# KiCad board beaglebone-ai-rev-a2.kicad_pcb
title: BEAGLEBONE AI; date: 2021-02-02; rev: A2; company: KiCad Services Corp (https://kipro-pcb.com)
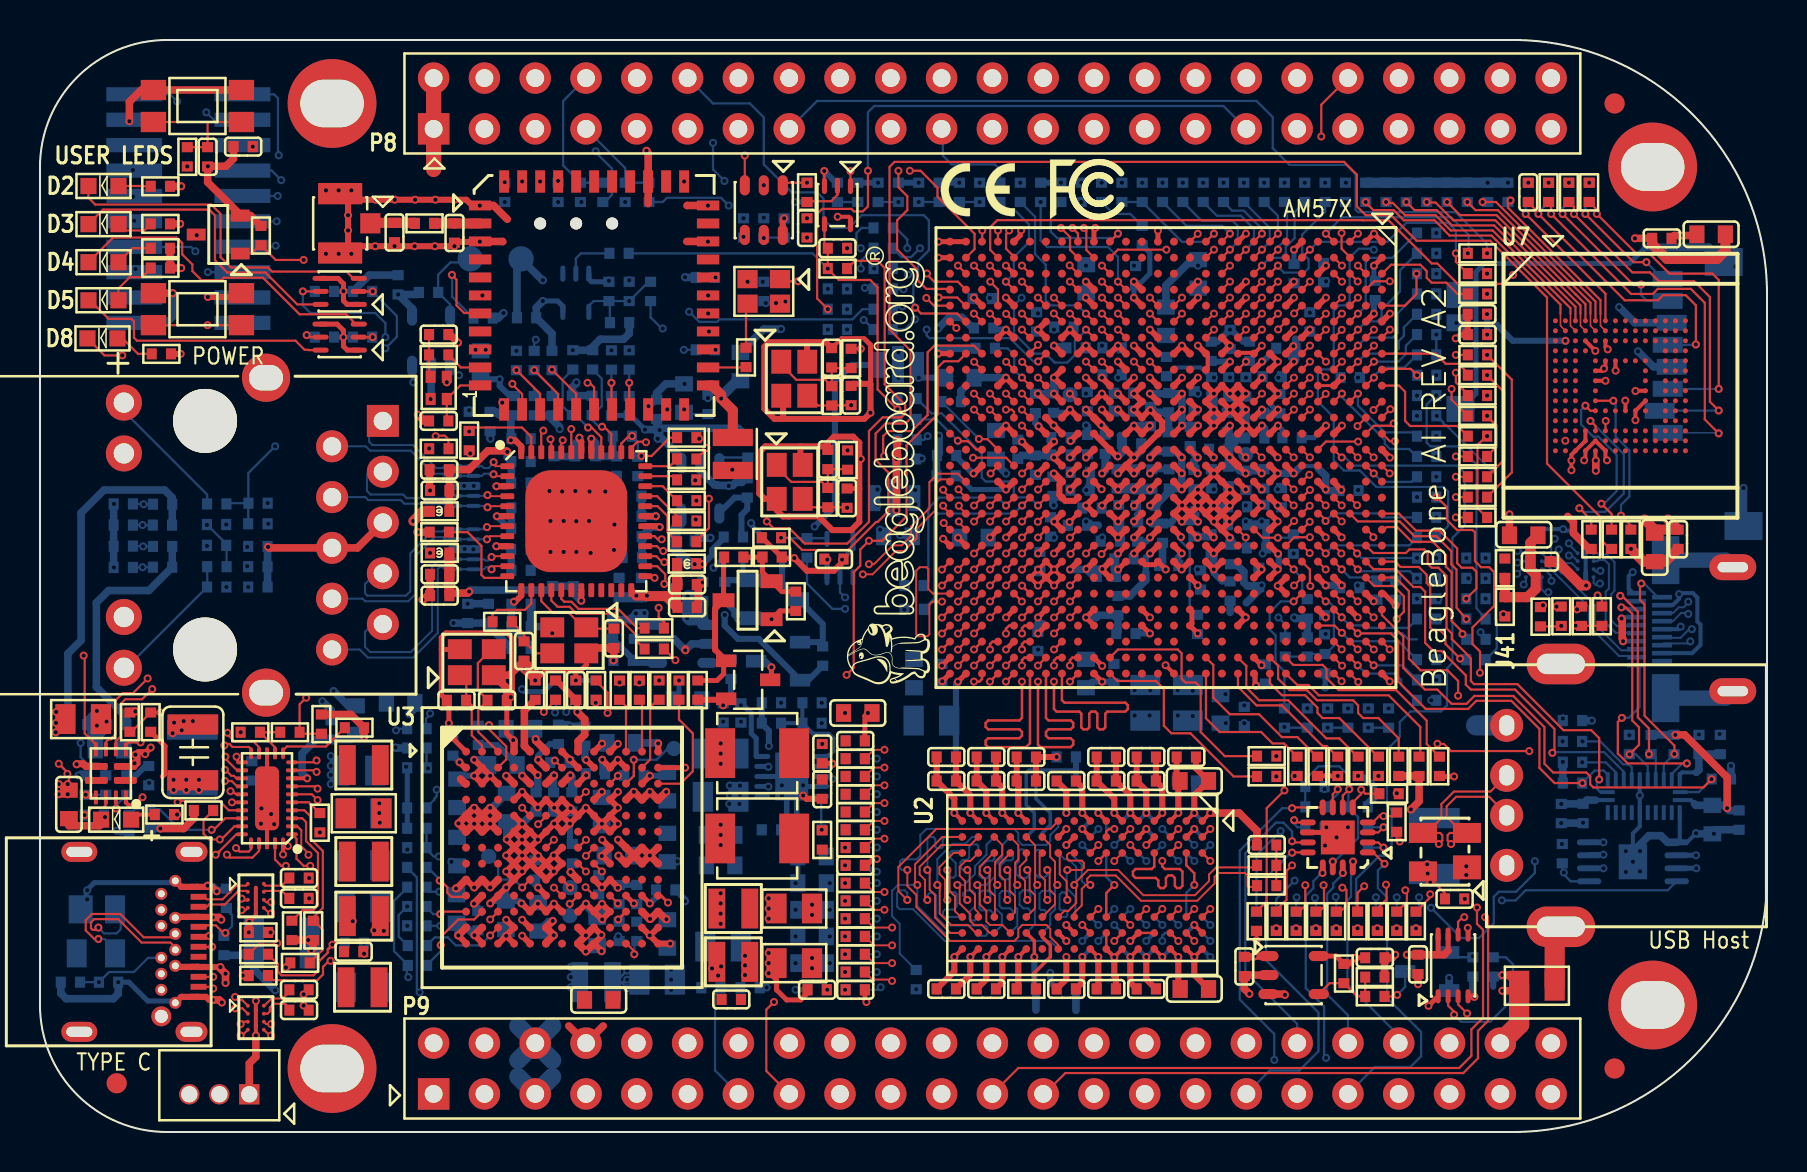
[diagram p0: board, top side]
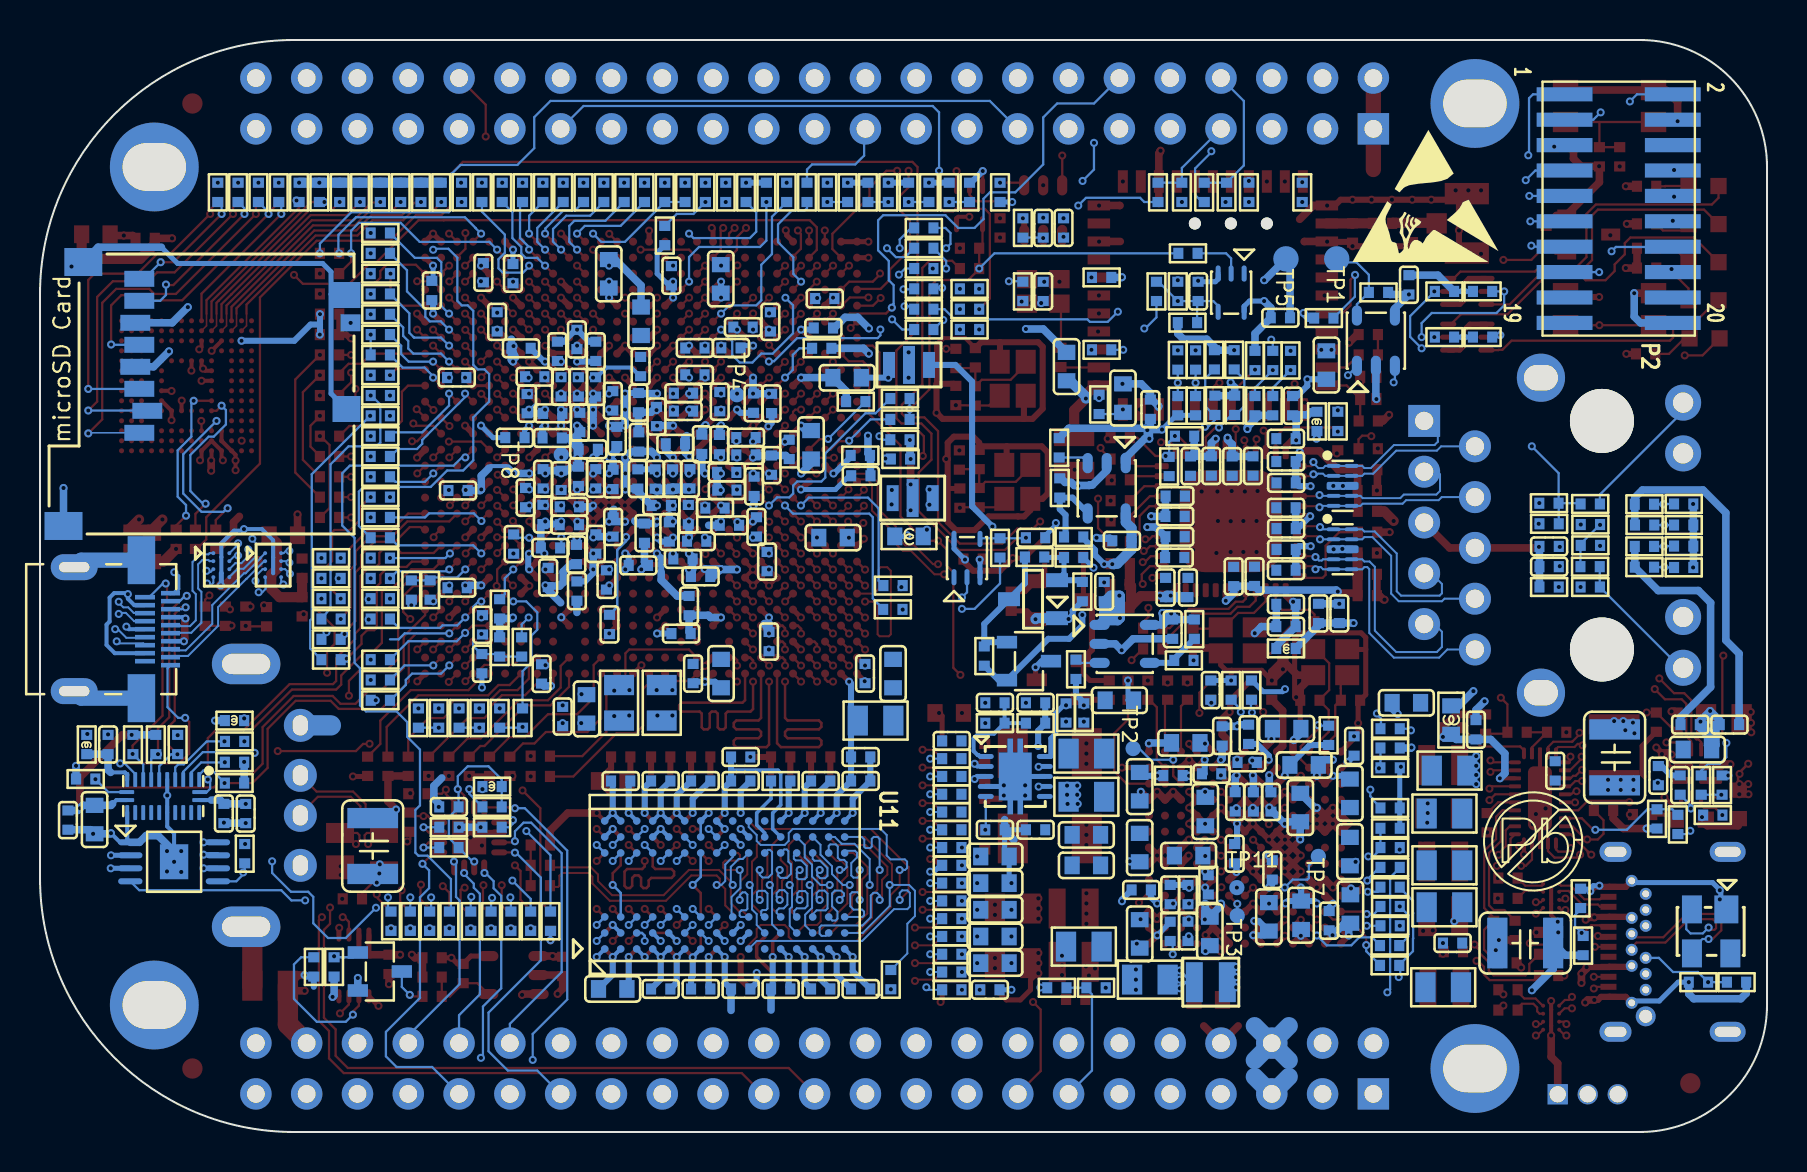
[diagram p1: board, bottom side, seen from below]

Outline 86.36 x 54.61 mm; copper layers: TOP, GND_L2, INT_L3, GND_L4, SIG_L5, PWR_L6, PWR_L7, SIG_L8, GND_L9, SIG_L10, GND_L11, BOTTOM. Coordinates in mm from the lower left corner of the outline.
Outline path: 0,48.26 0,6.35 arc(1.86,1.86) 6.35,0 73.66,0 arc(82.64,3.72) 86.36,12.7 86.36,41.91 arc(82.64,50.89) 73.66,54.61 6.35,54.61 arc(1.86,52.75) 0,48.26
Stack: TOP 0.0178mm / dielectric 0.0803mm FR4 er 4.5 / GND_L2 0.0178mm / dielectric 0.1999mm FR4 er 4.5 / INT_L3 0.0178mm / dielectric 0.1062mm FR4 er 4.5 / GND_L4 0.0178mm / dielectric 0.1199mm FR4 er 4.5 / SIG_L5 0.0178mm / dielectric 0.1072mm FR4 er 4.5 / PWR_L6 0.0178mm / dielectric 0.1199mm FR4 er 4.5 / PWR_L7 0.0178mm / dielectric 0.1072mm FR4 er 4.5 / SIG_L8 0.0178mm / dielectric 0.1199mm FR4 er 4.5 / GND_L9 0.0178mm / dielectric 0.1062mm FR4 er 4.5 / SIG_L10 0.0178mm / dielectric 0.1999mm FR4 er 4.5 / GND_L11 0.0178mm / dielectric 0.0803mm FR4 er 4.5 / BOTTOM 0.0178mm

## Placement (name value [footprint] x y rotation side)
C1  0.001UF  [C0402]  38.61 21.46 180 bottom
C2  4.7UF  [C0603#2]  22.03 38.35 90 bottom
C3  4.7UF  [C0603#2]  32.21 36.7 270 bottom
C4  10UF  [C0603]  40.89 20.96 180 top
C5  0.1UF  [C0402]  39.12 18.92 270 top
C6  0.1UF  [C0402]  39.12 17.15 90 top
C7  10UF  [C0603#2]  38.61 8.45 0 bottom
C8  0.1UF  [C0402]  36.58 15.11 180 bottom
C9  0.01UF  [C0402#2]  45.32 7.15 180 top
C10  0.01UF  [C0402#2]  53.32 18.75 0 top
C11  0.01UF  [C0402#2]  55.32 18.75 0 top
C12  47UF  [C0805]  37.72 11.18 0 top
C13  24PF  [C0402]  40.36 31.7 270 top
C14  24PF  [C0402]  39.4 33.63 270 top
C15  24PF  [C0402]  40.56 36.83 270 top
C16  24PF  [C0402]  39.59 38.72 270 top
C17  0.01UF  [C0402#2]  47.32 18.75 180 top
C18  0.01UF  [C0402#2]  45.32 18.75 180 top
C19  0.01UF  [C0402#2]  47.32 17.55 180 top
C20  0.1UF  [C0402#2]  51.32 17.55 180 top
C21  2.2UF  [C0603#2]  18.03 21.46 0 bottom
C22  0.01UF  [C0402#2]  45.32 17.55 180 top
C23  0.01UF  [C0402#2]  49.32 17.55 180 top
C24  0.01UF  [C0402#2]  53.32 17.55 0 top
C25  0.01UF  [C0402#2]  55.32 17.55 0 top
C26  47UF  [C0805#2]  44.58 20.57 0 bottom
C27  0.1UF  [C0402]  17.91 42.37 270 bottom
C28  0.1UF  [C0402]  14.55 20.11 270 bottom
C29  47UF  [C1210]  12.09 9.45 0 bottom
C30  4.7UF  [C0603#2]  83.63 15.62 90 bottom
C31  220PF  [C0402]  84.96 15.6 90 bottom
C32  220PF  [C0402]  77.17 15.93 90 bottom
C33  4.7UF  [C0603#2]  3.48 19.13 0 bottom
C34  0.1UF  [C0402]  3.84 20.37 0 bottom
C35  0.1UF  [C0402#2]  51.32 7.15 180 top
C36  0.01UF  [C0402#2]  55.32 7.15 0 top
C37  10UF  [C0603#2]  46 37.72 180 bottom
C38  2.2UF  [C0402]  26.8 22.1 270 top
C39  22UF  [C0603]  57.72 7.15 0 top
C40  0.01UF  [C0402#2]  53.32 7.15 0 top
C41  0.1UF  [C0402]  38.86 7.11 180 bottom
C42  0.1UF  [C0402#2]  40.77 7.11 180 top
C43  2.2UF  [C0402]  24.77 22.1 270 top
C44  1UF  [C0402]  4.34 17.35 270 bottom
C45  10UF  [C0402#2]  19.99 27.89 180 top
C46  0.01UF  [C0402#2]  19.99 26.82 180 top
C47  1UF  [C0402]  28.83 33.3 90 bottom
C48  0.1UF  [C0402]  27.79 33.31 90 bottom
C49  0.1UF  [C0402#2]  61.34 14.35 0 top
C50  1UF  [C0402]  29.62 28.73 0 bottom
C51  15PF  [C0402#2]  22.86 21.59 180 top
C52  15PF  [C0402#2]  20.83 21.59 0 top
C53  0.1UF  [C0402]  29.6 29.77 0 bottom
C54  1UF  [C0402]  25.63 27.79 270 bottom
C55  0.1UF  [C0402]  26.67 27.78 270 bottom
C56  10UF  [C0402#2]  19.99 32.08 180 top
C57  0.01UF  [C0402#2]  19.96 33.12 180 top
C58  22UF  [C0603#2]  57.72 7.15 180 bottom
C59  1UF  [C0402]  24.05 28.09 180 bottom
C60  0.1UF  [C0402#2]  38.86 7.11 0 top
C61  0.1UF  [C0402#2]  40.77 13.34 180 top
C62  0.1UF  [C0402]  24.05 29.13 180 bottom
C63  1UF  [C0402]  24.05 33.53 180 bottom
C64  0.1UF  [C0402]  24.05 32.46 180 bottom
C65  10UF  [C0402#2]  32.36 27.38 0 top
C66  0.01UF  [C0402#2]  32.36 26.24 0 top
C67  1UF  [C0402]  29.59 31.8 0 bottom
C68  15PF  [C0402#2]  19.94 35.56 180 top
C69  0.1UF  [C0402]  36.58 29.72 0 bottom
C70  0.1UF  [C0402]  29.6 30.78 0 bottom
C71  1UF  [C0402]  25.7 33.31 90 bottom
C72  0.1UF  [C0402]  26.75 33.3 90 bottom
C73  1UF  [C0402]  24.05 31.22 180 bottom
C74  0.1UF  [C0402]  24.05 30.18 180 bottom
C75  1UF  [C0402]  28.96 27.23 270 bottom
C76  0.1UF  [C0402]  30.07 27.23 270 bottom
C77  1UF  [C0402]  29.72 25.15 90 bottom
C78  1UF  [C0402]  33.15 27.03 270 bottom
C79  0.01UF  [C0402#2]  39.7 28.65 180 top
C80  0.1UF  [C0402#2]  39.88 44.2 0 top
C81  0.1UF  [C0402]  35.18 45.21 270 bottom
C82  1UF  [C0402]  30.84 36.14 270 bottom
C83  1UF  [C0402]  32.26 29.57 180 bottom
C84  0.01UF  [C0402]  24.33 40.72 0 bottom
C85  1UF  [C0402]  24.05 25.27 180 bottom
C86  0.1UF  [C0402]  24.05 26.39 180 bottom
C87  0.1UF  [C0402]  36.19 45.21 270 bottom
C88  0.1UF  [C0402]  38.35 45.21 270 top
C89  10UF  [C0603]  57.72 17.55 0 top
C90  10UF  [C0603#2]  38.61 13.78 0 bottom
C91  10UF  [C0603#2]  38.61 12.45 0 bottom
C92  10PF  [C0402]  38.61 15.11 0 bottom
C93  47UF  [C0805#2]  34.16 9.27 0 bottom
C94  47UF  [C0805]  37.72 8.45 0 top
C95  0.01UF  [C0402]  45.32 7.15 0 bottom
C96  22UF  [C0603#2]  34.04 14.86 0 bottom
C97  0.01UF  [C0402]  45.32 18.75 0 bottom
C98  0.1UF  [C0402]  51.32 17.55 0 bottom
C99  0.1UF  [C0402]  51.32 18.75 180 bottom
C100  0.01UF  [C0402]  57.32 17.55 180 bottom
C101  0.01UF  [C0402]  55.32 17.55 180 bottom
C102  0.01UF  [C0402]  53.32 17.55 180 bottom
C103  0.01UF  [C0402]  47.32 17.55 0 bottom
C104  0.01UF  [C0402]  45.32 17.55 0 bottom
C105  47UF  [C0805#2]  34.04 18.92 0 bottom
C106  1UF  [C0402]  51.06 34.73 0 bottom
C107  1UF  [C0402]  51.06 33.86 0 bottom
C108  1UF  [C0402]  52.02 32.99 180 bottom
C109  1UF  [C0402]  52.01 32.1 180 bottom
C110  10UF  [C0402]  28.96 10.03 90 bottom
C111  47UF  [C0805#2]  34.04 16.76 0 bottom
C112  10UF  [C0402]  59.54 28.88 90 bottom
C113  10UF  [C0603#2]  31.37 9.91 90 bottom
C114  4.7UF  [C0603#2]  31.37 14.22 90 bottom
C115  4.7UF  [C0603#2]  31.37 17.27 270 bottom
C116  10UF  [C0603#2]  47.8 34.37 270 bottom
C117  2.2UF  [C0402]  31.29 12.11 180 bottom
C118  0.01UF  [C0402]  45.1 22.92 90 bottom
C119  0.01UF  [C0402]  54.3 24.92 0 bottom
C120  10UF  [C0603#2]  43.7 22.92 90 bottom
C121  2.2UF  [C0402]  29.84 11.87 270 bottom
C122  0.01UF  [C0402]  47.12 41.68 180 bottom
C123  0.1UF  [C0402]  45.31 32.82 0 bottom
C124  10UF  [C0603#2]  46.7 29.73 180 bottom
C125  0.01UF  [C0402]  47.19 40.21 0 bottom
C126  2.2UF  [C0603#2]  29.07 19.46 180 bottom
C127  4.7UF  [C0603#2]  28.92 13.82 0 bottom
C128  4.7UF  [C0603]  27.94 6.6 0 top
C129  10UF  [C0402]  21.39 25.93 270 bottom
C130  10UF  [C0603#2]  28.09 16.03 90 bottom
C131  0.01UF  [C0402]  49.9 24.52 90 bottom
C132  4.7UF  [C0603#2]  27.86 10.03 270 bottom
C133  2.2UF  [C0402]  27.77 17.92 180 bottom
C134  2.2UF  [C0402]  27.25 19.81 270 bottom
C135  0.01UF  [C0402]  22.43 25.93 270 bottom
C136  0.01UF  [C0402]  49.78 36.43 270 bottom
C137  1UF  [C0402]  23.72 36.32 270 bottom
C138  0.01UF  [C0402]  49.78 33.35 270 bottom
C139  0.01UF  [C0402]  26.59 16.51 90 bottom
C140  0.01UF  [C0402]  50 28.52 270 bottom
C141  0.01UF  [C0402]  47.32 7.15 0 bottom
C142  0.1UF  [C0402]  24.05 34.67 180 bottom
C143  0.1UF  [C0402]  51.32 7.15 180 bottom
C144  0.1UF  [C0402]  49.32 7.15 0 bottom
C145  0.01UF  [C0402]  26.62 13.92 270 bottom
C146  0.01UF  [C0402]  50.53 30.26 90 bottom
C147  0.1UF  [C0402]  26 18.48 0 bottom
C148  0.01UF  [C0402]  50.68 36.45 270 bottom
C149  0.1UF  [C0402]  50.65 32.29 90 bottom
C151  2.2UF  [C0402]  25.69 16.51 90 bottom
C152  2.2UF  [C0402]  25.92 19.89 270 bottom
C153  0.1UF  [C0402]  40.77 13.34 0 bottom
C154  0.01UF  [C0402]  51.21 40.25 0 bottom
C155  0.01UF  [C0402]  49.83 40.51 270 bottom
C156  4.7UF  [C0603#2]  24.91 10.76 270 bottom
C157  2.2UF  [C0402]  24.81 16.5 90 bottom
C158  0.01UF  [C0402]  51.88 30.34 180 bottom
C159  0.1UF  [C0402]  52.38 34.38 270 bottom
C161  10UF  [C0603#2]  52.32 42.66 270 bottom
C162  0.01UF  [C0402]  53.7 22.92 90 bottom
C163  0.1UF  [C0402]  52.37 36.52 270 bottom
C164  2.2UF  [C0603#2]  24.02 20.17 0 bottom
C165  0.01UF  [C0402]  52.61 31.2 180 bottom
C166  0.01UF  [C0402]  53.32 7.15 180 bottom
C168  10UF  [C0402]  60.22 20.78 270 bottom
C169  2.2UF  [C0603#2]  23.34 16.23 90 bottom
C170  10UF  [C0603#2]  23.3 10.84 270 bottom
C171  0.01UF  [C0402]  54.58 34.42 180 bottom
C172  2.2UF  [C0603#2]  23.15 18.36 0 bottom
C174  0.01UF  [C0402]  53.33 27.78 180 bottom
C175  0.01UF  [C0402]  53.52 29.54 0 bottom
C176  10UF  [C0402]  53.61 39.21 0 bottom
C177  10UF  [C0402]  53.61 37.87 180 bottom
C178  0.01UF  [C0402]  53.86 32.67 270 bottom
C179  1UF  [C0402]  54.21 28.66 0 bottom
C180  10UF  [C0603#2]  52.3 22.92 90 bottom
C181  0.01UF  [C0402]  53.94 30.88 270 bottom
C182  0.01UF  [C0402]  54.18 36.95 180 bottom
C183  10UF  [C0402]  54.18 36.05 180 bottom
C184  0.1UF  [C0402]  53.26 34.39 90 bottom
C185  0.01UF  [C0402]  54.73 32.66 270 bottom
C186  0.01UF  [C0402]  54.79 42.82 270 bottom
C187  0.01UF  [C0402]  54.89 30.01 270 bottom
C188  22UF  [C0603#2]  59.03 21.16 270 bottom
C189  0.01UF  [C0402]  55.29 31.33 0 bottom
C190  0.01UF  [C0402]  55.53 35.78 270 bottom
C192  47UF  [C0805#2]  30.86 7.62 180 bottom
C193  0.01UF  [C0402]  55.6 32.66 270 bottom
C194  4.7UF  [C0603#2]  20.83 11.15 90 bottom
C195  4.7UF  [C0603#2]  20.86 14.02 90 bottom
C196  4.7UF  [C0603#2]  20.86 16.94 270 bottom
C197  0.01UF  [C0402]  56.13 29.95 90 bottom
C198  10UF  [C0603#2]  56.3 40.54 270 bottom
C199  0.01UF  [C0402]  56.42 34.51 270 bottom
C200  10UF  [C0402]  56.44 36.48 90 bottom
C201  0.01UF  [C0402]  56.44 28.34 0 bottom
C202  0.01UF  [C0402]  56.46 32.66 270 bottom
C203  0.01UF  [C0402]  57.51 34.78 90 bottom
C204  1UF  [C0402]  53.9 26.32 90 bottom
C205  0.01UF  [C0402]  57.7 32.64 270 bottom
C206  0.01UF  [C0402]  57.7 30.26 90 bottom
C207  0.01UF  [C0402]  57.72 36.57 270 bottom
C208  10UF  [C0603#2]  57.92 42.92 270 bottom
C209  0.01UF  [C0402]  58.03 27.61 270 bottom
C210  0.01UF  [C0402]  56.33 38.28 90 bottom
C211  0.01UF  [C0402]  58.57 29.41 270 bottom
C212  0.01UF  [C0402]  58.57 32.67 90 bottom
C213  0.01UF  [C0402#2]  49.32 18.75 180 top
C214  1UF  [C0402]  57.88 25.38 90 bottom
C215  10UF  [C0402]  58.58 37.26 270 bottom
C216  1UF  [C0402]  58.94 34.14 180 bottom
C217  10UF  [C0402]  59.37 35.48 90 bottom
C218  0.01UF  [C0402]  59.51 39.63 270 bottom
C220  0.01UF  [C0402]  59.44 37.26 270 bottom
C221  0.01UF  [C0402]  59.89 31.26 180 bottom
C222  0.01UF  [C0402]  59.89 30.37 180 bottom
C223  0.01UF  [C0402]  59.44 32.79 270 bottom
C224  0.01UF  [C0402]  59.51 27.05 90 bottom
C225  0.1UF  [C0402#2]  40.77 19.56 180 top
C226  0.1UF  [C0402]  40.77 19.56 0 bottom
C227  0.01UF  [C0402]  55.32 7.15 180 bottom
C230  0.01UF  [C0402#2]  47.32 7.15 180 top
C231  0.01UF  [C0402#2]  57.32 18.75 0 top
C232  0.01UF  [C0402]  60.31 37.26 270 bottom
C233  0.01UF  [C0402]  60.72 35.94 180 bottom
C234  0.01UF  [C0402]  60.75 34.71 0 bottom
C235  0.01UF  [C0402]  60.95 27.73 90 bottom
C236  0.01UF  [C0402]  61.21 30.88 90 bottom
C237  0.01UF  [C0402]  61.28 22.91 90 bottom
C238  0.01UF  [C0402]  24.74 13.11 270 bottom
C242  0.01UF  [C0402]  62.61 34.72 180 bottom
C245  0.01UF  [C0402]  62 36.42 90 bottom
C254  1UF  [C0402]  60.83 29.21 180 bottom
C255  0.01UF  [C0402#2]  15.68 9.02 0 top
C256  0.01UF  [C0402]  21.89 10.57 90 bottom
C257  0.01UF  [C0402]  15.72 9.45 180 bottom
C258  0.01UF  [C0402]  20.65 19.3 270 bottom
C259  0.01UF  [C0402]  62.71 42.92 270 bottom
C260  1UF  [C0402]  62.67 29.4 90 bottom
C261  0.01UF  [C0402]  64.19 42.97 90 bottom
C262  0.01UF  [C0402]  64.24 25.36 90 bottom
C263  47UF  [C0805#2]  16.13 11.24 180 bottom
C264  47UF  [C0805#2]  16.19 7.24 180 bottom
C265  47UF  [C0805#2]  16.13 13.34 180 bottom
C266  47UF  [C0805]  16.19 15.94 0 top
C267  0.1UF  [C0402]  64.26 23.42 90 bottom
C268  1.5PF  [C0402]  17.73 44.98 90 top
C269  0.01UF  [C0402]  65.46 32.08 180 bottom
C270  0.01UF  [C0402]  65.5 27.22 180 bottom
C271  0.01UF  [C0402]  65.52 37.73 180 bottom
C272  0.01UF  [C0402]  66.77 42.08 270 bottom
C273  1UF  [C0402]  61.2 32.66 270 bottom
C274  1UF  [C0402]  62.31 39.19 180 bottom
C275  1UF  [C0402]  61.62 37.77 180 bottom
C276  1UF  [C0402]  58.57 39.04 270 bottom
C277  1UF  [C0402]  60.49 39.04 270 bottom
C278  2.2UF  [C0603#2]  80.75 29.24 90 top
C279  1UF  [C0402]  60.3 32.59 270 bottom
C281  0.1UF  [C0402#2]  71.88 39.88 180 top
C282  2.2UF  [C0603]  74.19 29.85 180 top
C283  1UF  [C0402#2]  71.88 40.9 180 top
C285  0.1UF  [C0402#2]  75.01 28.52 0 top
C286  0.1UF  [C0402]  81.91 29.64 90 top
C291  10UF  [C0603#2]  38.61 11.11 0 bottom
C292  10UF  [C0603#2]  38.61 9.78 0 bottom
C293  47UF  [C0805#2]  55.27 21.46 270 bottom
C294  47UF  [C0805#2]  57.4 21.46 270 bottom
C295  10UF  [C0603#2]  34.04 13.34 0 bottom
C296  10UF  [C0402#2]  34.57 6.63 180 top
C297  47UF  [C0805#2]  15.88 18.07 180 bottom
C298  47UF  [C0805#2]  16.13 15.93 180 bottom
C299  0.01UF  [C0402]  62.08 31.72 270 bottom
C300  10UF  [C0603]  83.57 44.89 0 top
C320  0.1UF  [C0402]  27.81 22.1 90 bottom
C321  0.1UF  [C0402]  8.38 48.77 90 top
C325  0.1UF  [C0402#2]  81.1 44.69 180 top
C326  47UF  [C1210]  69.72 14.3 270 bottom
C327  0.1UF  [C0402#2]  70.74 11.66 0 top
C334  27PF  [C0402]  28.7 24.69 90 top
C335  0.1UF  [C0402]  10.9 29.29 0 bottom
C336  0.1UF  [C0402]  10.9 28.27 0 bottom
C337  27PF  [C0402]  24.21 24.05 90 top
C353  0.1UF  [C0402]  68.91 8.38 270 top
C443  0.1UF  [C0402#2]  12.95 12.7 0 top
C444  0.1UF  [C0402#2]  12.95 11.68 0 top
C445  0.1UF  [C0402#2]  12.95 6.1 0 top
C446  0.1UF  [C0402#2]  12.95 7.11 0 top
C456  4.7UF  [C0603#2]  1.45 16.38 90 top
C457  0.1UF  [C0402]  1.88 20.37 180 bottom
C461  10UF  [C0603#2]  32.38 21.59 0 bottom
C462  0.001UF  [C0402]  36.58 21.46 180 bottom
C463  15PF  [C0402#2]  19.94 39.88 0 top
C464  4.7UF  [C0603#2]  35.03 38.28 270 bottom
C466  0.1UF  [C0402]  65.91 16.26 180 bottom
C472  0.1UF  [C0402]  36.19 42.04 270 bottom
C473  5PF  [C0402]  74.42 46.99 270 top
C480  1UF  [C0402]  10.59 18.06 270 bottom
C481  100UF  [C1210]  7.62 18.73 270 bottom
C482  100UF  [C1210]  7.65 18.99 270 top
C483  0.01UF  [C0402]  5.44 17.82 270 bottom
C488  1PF  [C0402]  20.73 44.96 90 top
C489  1UF  [C0402]  60.22 8.28 270 top
C490  1UF  [C0402#2]  66.75 8.71 0 top
C491  0.1UF  [C0402#2]  10.16 49.28 180 top
C492  0.1UF  [C0402]  51.81 39.21 0 bottom
C495  1UF  [C0402]  28.45 42.04 270 bottom
C496  0.1UF  [C0402]  63.5 40.51 90 bottom
C497  0.1UF  [C0402]  76.07 15.93 90 bottom
C498  0.1UF  [C0402]  82.96 19.38 270 bottom
D1  GREEN  [D0603]  3.81 15.62 180 top
D2  GREEN  [D0603]  3.18 47.31 180 top
D3  GREEN  [D0603]  3.18 45.4 180 top
D4  GREEN  [D0603]  3.18 43.5 180 top
D5  GREEN  [D0603]  3.18 41.59 180 top
D6  TLVH431CDBZT  [SOT95P240X120-3N#2]  36.7 26.64 180 bottom
D7  TLVH431CDBZT  [SOT95P240X120-3N]  35.38 26.59 180 top
D8  GREEN  [D0603]  3.12 39.69 180 top
D46  ESD0402-V05L  [D0402]  9.19 9.32 270 bottom
D47  ESD0402-V05L  [D0402]  3.43 7.49 0 bottom
D78  PRTR5V0U2X,215  [SOT143_190P240X115-4N]  2.79 10.03 180 bottom
D79  PRTR5V0U2X,215  [SOT143_190P240X115-4N]  70.26 14 270 top
FB1  180R  [L0603]  15.8 20.6 90 bottom
FB2  120OHM  [L0402#2]  24.05 24.18 180 bottom
FB3  120OHM  [L0402]  19.99 28.96 0 top
FB4  120OHM  [L0402#2]  76.63 20.57 0 bottom
FB5  120OHM  [L0402#2]  63.75 17.27 0 bottom
FB6  180R  [L0603]  42.91 29.79 180 bottom
FB7  120OHM  [L0402#2]  84.02 19.38 270 bottom
FB8  120OHM  [L0402]  19.98 31.04 0 top
FB9  120OHM  [L0402]  32.34 28.42 180 top
FB10  120OHM  [L0402#2]  22.5 35.53 270 bottom
FL1  NFM21PC474R1C3D  [FL0805]  42.91 38.36 180 bottom
FL2  NFM21PC474R1C3D  [FL0805]  42.72 31.7 180 bottom
G***  LOGO  [bb]  42.43 33.34 90 top
ID1  NI  [FD40]  78.74 51.44 0 top
ID2  NI  [FD40]  78.74 3.18 0 top
ID3  NI  [FD40]  3.84 2.44 0 top
J33  U.FL-R-SMT-1(10)  [ANT3S_26X26]  15.01 45.44 270 top
J37  JTRJ45-4118NLF  [RJ45_MTCONN_JTRJ45-4118NLF]  8.16 29.85 90 top
J41  UB11123-4H9-4F  [USB_A_SH]  76.05 16.83 270 top
J42  UBF31-0170  [USB_MTCONN_UBF31-0170]  7.88 9.51 90 top
J90  MCTF-0606  [SD_HSF-COMPLIANT_MCTF-0606]  78.26 36.91 270 bottom
J91  10118241-001RLF  [HDMIS19_4P4]  84.65 25.15 90 bottom
J92  B3B-ZR(LF)(SN)  [CON3B35X60]  8.97 2.34 180 top
L1  1UH  [L40X40_B]  35.86 18.95 0 top
L2  1UH  [L40X40_B]  35.86 14.68 0 top
L16  1UH  [INDPW250X200X105N]  34.67 11.18 0 top
L17  1UH  [INDPW250X200X105N]  16.19 13.53 180 top
L18  1UH  [INDPW250X200X105N]  16.19 10.8 180 top
L19  1UH  [INDPW250X200X105N]  16.13 7.24 180 top
L20  1UH  [INDPW250X200X105N]  16.19 18.35 180 top
L21  1UH  [INDPW250X200X105N]  34.67 8.51 0 top
L22  1UH  [INDPW250X200X105N#2]  27.81 7.49 180 bottom
L30  4.7UH  [L25X20]  34.65 33.91 270 top
MH1  NI  [MTGH200C125D_PL]  80.65 48.26 0 top
MH2  NI  [MTGH200C125D_PL]  14.6 51.44 0 top
MH3  NI  [MTGH200C125D_PL]  80.65 6.35 0 top
MH4  NI  [MTGH200C125D_PL]  14.6 3.18 0 top
OSC1  32.768KHZ  [X4S25X20]  36.19 42.04 180 top
P2  CTI JTAG,DNI  [HEADER10X2_SMD]  7.42 46.18 90 bottom
P8  2.54MM 2X23  [H2X23MZ]  47.62 51.44 0 top
P9  2.54MM 2X23  [H2X23MZ]  47.62 3.18 0 top
Q1  MMBT2907A  [SOT23_123]  36.91 23.55 90 bottom
Q4  MMBT2907A  [SOT23_123]  35.41 22.61 90 top
Q17  2N7002  [SOT23_123]  69.37 8.03 90 bottom
Q18  BSS138LT1G  [SOT95P240X111-3N]  8.92 44.88 180 top
R1  10K  [R0402]  38.61 20.45 180 bottom
R2  10K  [R0402]  36.58 20.45 180 bottom
R3  100K  [R0402]  35.05 20.96 90 bottom
R4  10K  [R0402]  34.16 20.96 90 bottom
R5  0R  [R0402]  35.51 7.21 0 bottom
R6  0R  [R0402]  33.55 7.21 180 bottom
R7  0R  [R0402]  45.34 33.83 180 bottom
R8  10K  [R0402]  34.67 28.73 180 bottom
R9  499R  [R0402]  39.14 23.8 270 bottom
R10  0R  [R0402]  48.9 34.14 270 bottom
R11  1M  [R0402]  39.4 31.72 90 top
R12  1M  [R0402]  39.59 36.81 90 top
R13  10K  [R0402]  36.63 28.75 180 bottom
R14  0R  [R0402]  40.39 33.6 270 top
R15  0R  [R0402]  40.56 38.68 270 top
R16  10K  [R0402]  84.08 17.65 0 bottom
R17  40.2K  [R0402]  34.24 27.03 270 bottom
R18  10K  [R0402]  31.95 22.1 90 top
R19  10K  [R0402]  30.96 22.1 90 top
R20  10K  [R0402]  29.97 22.1 90 top
R21  10K  [R0402]  19.43 41.99 180 bottom
R22  240R  [R0402#2]  49.32 7.15 0 top
R23  0R  [R0402]  27.03 46.99 270 bottom
R24  10K  [R0402]  51.05 46.99 270 bottom
R25  47R  [R0402#2]  40.77 18.67 0 top
R26  49.9R  [R0402#2]  61.34 12.32 180 top
R27  10K  [R0402]  25.78 22.1 90 top
R28  0R  [R0402]  29.26 46.99 270 bottom
R29  49.9R  [R0402#2]  61.34 13.34 180 top
R30  47R  [R0402]  40.77 17.78 180 bottom
R31  47R  [R0402]  40.77 16 180 bottom
R32  909K  [R0402]  14 15.47 270 top
R33  47R  [R0402#2]  40.77 17.78 0 top
R34  47R  [R0402#2]  40.77 10.67 0 top
R35  200K  [R0402]  13.67 10.08 270 top
R36  47R  [R0402#2]  40.77 9.78 0 top
R37  47R  [R0402]  40.77 9.78 180 bottom
R38  100K  [R0402]  54.1 46.99 90 bottom
R39  47R  [R0402]  40.77 8.89 180 bottom
R40  47R  [R0402]  40.77 10.67 180 bottom
R41  10K  [R0402]  12.6 10.08 270 top
R42  47R  [R0402#2]  40.77 8.89 0 top
R43  47R  [R0402]  40.77 16.89 180 bottom
R44  100K  [R0402]  56.13 46.99 90 bottom
R45  200K  [R0402#2]  15.72 20.22 180 top
R46  0R  [R0402#2]  10.52 19.99 180 top
R47  0R  [R0402#2]  12.5 19.99 180 top
R48  0R  [R0402#2]  10.92 8.89 0 top
R49  0R  [R0402#2]  10.92 7.82 0 top
R50  0R  [R0402#2]  10.92 9.98 180 top
R51  200K  [R0402]  14.07 20.4 90 top
R52  200K  [R0402#2]  8.18 16.08 0 top
R53  200K  [R0402]  5.5 15.66 270 bottom
R54  10K  [R0402#2]  36.58 29.72 0 top
R55  0R  [R0402]  38.35 29.21 90 bottom
R56  0R  [R0402]  78.59 29.64 270 top
R57  18K  [R0402]  62.23 20.7 90 bottom
R58  20K  [R0402]  63.37 20.7 90 bottom
R59  10K  [R0402]  5.54 20.5 270 top
R60  0R  [R0402]  4.5 20.5 270 top
R61  10K  [R0402]  76.63 19.53 180 bottom
R62  4.7K  [R0402]  76.63 17.45 180 bottom
R63  4.7K  [R0402]  76.63 18.49 180 bottom
R64  4.7K  [R0402]  81.71 19.38 90 bottom
R65  4.7K  [R0402]  80.57 19.38 90 bottom
R66  10K  [R0402]  79.48 19.38 90 bottom
R67  0R  [R0402]  30.45 46.99 270 bottom
R68  0R  [R0402]  28.14 46.99 270 bottom
R69  0R  [R0402]  4.46 15.38 90 bottom
R70  0R  [R0402#2]  39.88 43.18 0 top
R71  13K  [R0402]  6.13 31.39 0 bottom
R72  4.7K  [R0402]  4.17 31.41 0 bottom
R73  4.7K  [R0402]  4.17 30.35 0 bottom
R74  10K  [R0402]  37.21 45.21 270 bottom
R75  11K  [R0402]  6.13 28.24 0 bottom
R76  20K  [R0402]  6.13 29.29 0 bottom
R77  0R  [R0402]  4.17 28.23 0 bottom
R78  4.7K  [R0402]  4.17 29.3 0 bottom
R79  30K  [R0402]  2.71 15.85 180 bottom
R80  10K  [R0402]  2.25 17.35 90 bottom
R81  0R  [R0402]  3.29 17.35 270 bottom
R82  10K  [R0402]  38.35 46.99 90 bottom
R83  100R  [R0402]  38.35 46.99 270 top
R84  10R  [R0402]  39.12 14.61 90 top
R85  499R  [R0402]  32.89 22.1 270 top
R86  10K  [R0402#2]  34.7 28.75 180 top
R87  10K  [R0402#2]  36.6 28.75 180 top